# KiCad board rosco_m68k.kicad_pcb (continued)
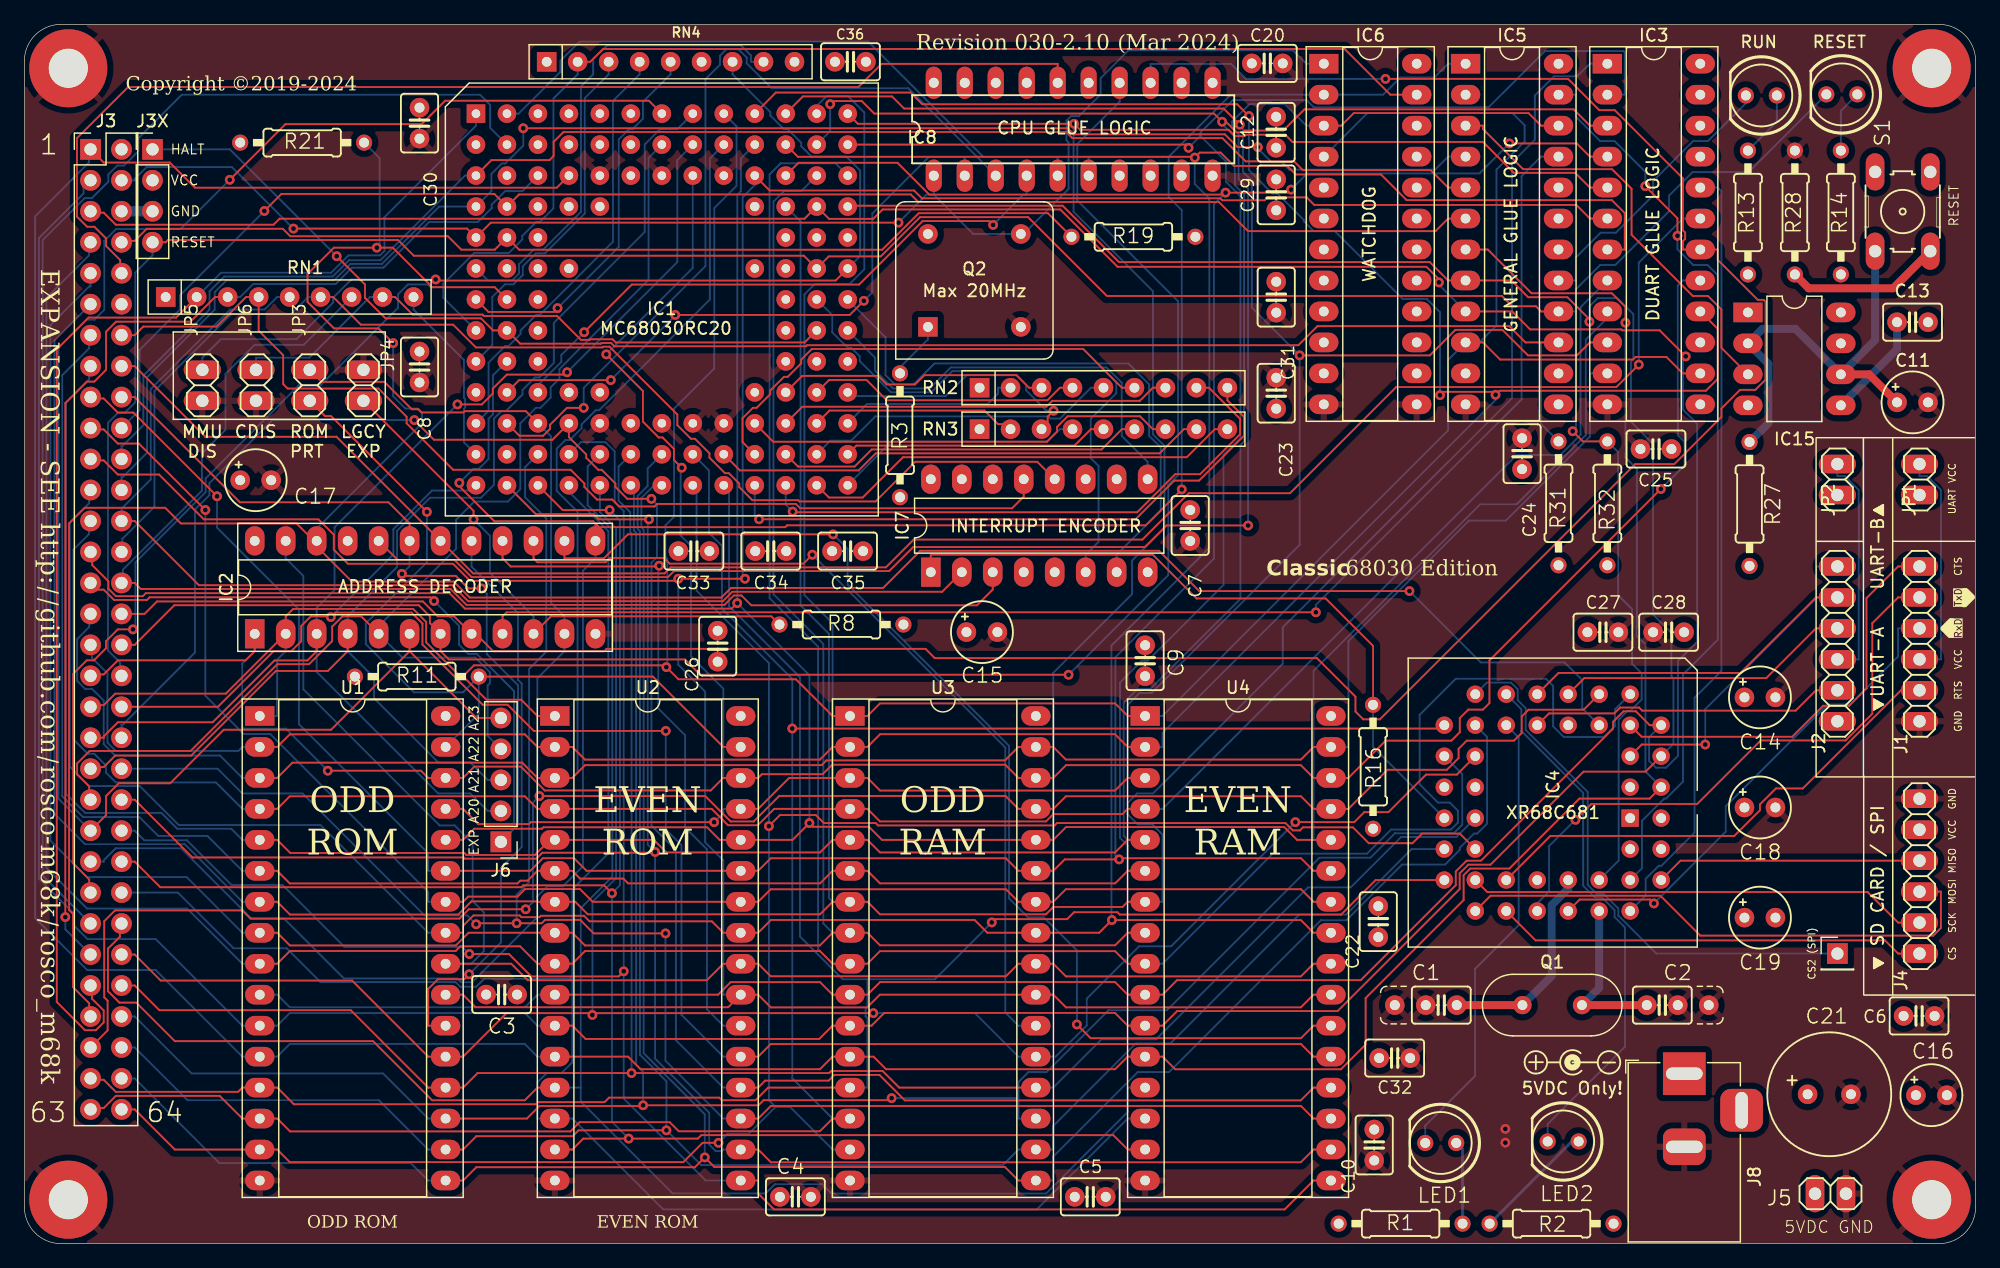
[diagram p0: board, top side]
## Routing (per net, layer and track width the routed paths; a pad name or vN(x,y) marks a point on that pad's centre or on a via; arc(x,y) is an arc through that point) (continued)
EVENROMSEL: length 56
  Top w0.152: IC2.16 39.21,56.21 39.88,55.54 51.99,55.54 v1(52.05,55.6)
  Bottom w0.152: U2.22 57.31,17.88 55.97,19.22 55.97,32.34 54.18,34.13 54.18,41.7 51.98,43.9 51.98,55.53 v1(52.05,55.6)
EXPSEL: length 62
  Top w0.152: v1(30.95,54.93) 31.01,54.88 31.01,54.77 35.37,54.77 36.41,53.74 v1(37.48,53.74) ; 7.96,69.43 9.04,69.43 17.67,60.8 29.85,60.8 31.59,59.07 IC2.19
  Bottom w0.152: J6.1 40.48,34.36 40.48,45.8 37.91,48.37 37.91,53.3 v1(37.48,53.74) ; v1(30.95,54.93) 31.59,55.56 IC2.19
FC0: length 124.2
  Top w0.152: IC5.6 116.75,84.08 115.72,83.04 100.33,83.04 97.95,85.43 73.31,85.43 72.69,86.05 40.56,86.05 IC1.D2 38.54,86.09 21.07,86.09 v1(19.68,84.7)
  Bottom w0.152: v1(19.68,84.7) 12.75,77.77 12.75,76.61 9.45,73.31 9.45,68.37 7.96,66.89
FC1: length 127.8
  Top w0.152: IC5.5 116.75,86.62 115.32,88.04 104.83,88.04 104.11,88.77 100.14,88.77 98.23,90.68 85.93,90.68 85.43,91.18 44.21,91.18 43.4,90.37 43.4,89.21 43.06,88.87 38.3,88.87 IC1.C1
  Bottom w0.152: IC1.C1 36.13,87.6 29.19,80.66 26.61,80.66 25.27,79.32 16.39,79.32 15.18,78.1 15.18,76.61 9.75,71.19 9.75,67.13 8.05,65.43 7.96,65.43 7.96,64.35
FC2: length 131.2
  Top w0.152: v1(101.15,89.93) 99.49,89.93 98.44,90.98 86.05,90.98 85.55,91.48 v1(40.91,91.48)
  Bottom w0.152: v1(101.15,89.93) 101.15,89.82 102.27,88.69 103.11,88.69 103.72,88.09 115.68,88.09 116.75,89.16 IC5.4 ; 7.96,61.81 7.96,62.89 8.08,62.89 10.06,64.87 10.06,71.06 15.61,76.61 15.61,78.04 16.58,79.01 25.4,79.01 26.74,80.35 29.32,80.35 34.02,85.06 IC1.D1 38.3,86.33 38.3,87.74 39.15,88.59 39.43,88.59 40.91,90.06 v1(40.91,91.48)
HALT: length 134
  Top w0.152: IC5.15 123.09,73.92 121.76,75.25 106.03,75.25 104.47,73.69 64.18,73.69 64.09,73.6 48.38,73.6 48.1,73.87 47.33,73.87 47.28,73.81 40.66,73.81 IC1.H2 38.43,74.9 37.44,75.89 29.61,75.89 27.93,77.57 27.93,78.67 v1(25.61,80.99)
  Bottom w0.152: J3-X1.1 16.84,89.75 v1(25.61,80.99) ; IC5.15 124.37,73.92 124.37,67.23 R31.1
HWRST: length 35.8
  Top w0.152: IC5.3 119.61,91.7 119.61,91.41 122.89,88.12 130.18,88.12 131.79,86.52 131.79,82.74 136.8,77.73 138.05,77.73 139.16,76.62 139.16,73.47 IC15.3
IOSEL: length 153.5
  Top w0.152: 7.96,71.97 9.04,71.97 14.84,66.17 25.57,66.17 25.58,66.18 IC2.18 36.79,54.97 52.49,54.97 52.99,55.47 70.64,55.47 72.92,57.74 91.68,57.74 95.48,61.55 103.78,61.55 112.49,70.26 130.54,70.26 v1(132.38,72.09)
  Bottom w0.152: IC3.19 135.99,84.08 132.38,80.46 v1(132.38,72.09)
IPL0: length 35.1
  Bottom w0.152: IC1.H13 69.75,72.66 69.75,71.61 71.22,70.14 74.24,70.14 75.96,71.86 88.73,71.86 89.98,70.61 89.98,66.24 92.1,64.12 IC7.9
IPL1: length 48.1
  Bottom w0.152: IC1.G13 70.62,74.33 70.62,71.22 71.38,70.47 72.91,70.47 74.63,72.19 90.52,72.19 92.23,70.48 92.23,66.25 93.18,65.3 93.18,60.12 89.56,56.5 IC7.7
IPL2: length 47
  Bottom w0.152: IC7.6 87.03,56.5 88.08,57.56 88.08,63.79 87.44,64.43 87.44,67.65 89.53,69.73 89.53,70.64 88.6,71.56 76.09,71.56 74.36,69.83 71.05,69.83 68.5,72.38 68.5,72.77 67.79,73.48 67.51,73.48 66.24,74.75 66.24,76.17 IC1.G12
IRQ2: length 101.1
  Top w0.152: RN1.6 25.32,77.64 27.59,75.37 35.16,75.37 37.02,73.5 47.4,73.5 47.46,73.56 47.98,73.56 53.54,68 53.54,67.13 54.66,66.01 54.99,66.01 56.17,64.83 56.17,64.46 57.45,63.19 57.76,63.19 58.62,62.33 58.62,62.05 59.7,60.98 63.45,60.98 63.56,60.87 69.79,60.87 73.05,64.12 83.06,64.12 IC7.12
  Bottom w0.152: RN1.6 23.26,77.64 21.87,76.25 16.98,76.25 10.67,69.94 10.67,60.45 8.03,57.81 8.03,56.79
IRQ3: length 87.9
  Top w0.152: 7.96,74.51 9.04,74.51 9.75,75.22 15.76,75.22 18.18,77.64 RN1.4 19.21,74.88 21.22,72.87 21.22,70.5 21.59,70.13 29.03,70.13 31.34,67.82 31.34,67.28 35.16,63.47 44.79,63.47 45.92,62.34 45.92,62.06 46.95,61.03 48.2,61.03 48.77,60.46 51.67,60.46 51.88,60.67 63.26,60.67 63.62,60.31 80.99,60.31 81.94,61.27 IC7.13
IRQ5: length 99
  Top w0.152: IC7.2 75.25,53.46 58.05,53.46 57.28,52.69 36.39,52.69 35.07,54 14.31,54 9.04,59.27 7.96,59.27
  Bottom w0.152: 7.96,59.27 7.96,60.35 8.04,60.35 10.36,62.68 10.36,70.1 16.88,76.61 19.69,76.61 20.72,77.64 RN1.5
IRQ6: length 108.3
  Top w0.152: IC7.3 79.41,53.65 78.11,52.35 59.61,52.35 58.8,53.16 58.18,53.16 57.4,52.39 36.25,52.39 34.94,53.7 9.54,53.7 9.04,54.19 7.96,54.19
  Bottom w0.152: 8.07,54.3 8.07,55.27 14.56,61.75 14.56,64.81 16.49,66.74 16.49,71.33 18.88,73.72 22.91,73.72 RN1.7
LDS: length 222.7
  Top w0.152: IC2.8 35.24,51.45 33.89,51.45 32.68,52.67 10.87,52.67 9.85,51.65 7.96,51.65 ; v1(111.61,95.53) 126.58,95.53 129.15,92.97 130.41,92.97 135.99,87.38 135.99,83.11 136.18,82.92 136.18,82.4 135.99,82.22 135.99,81.54 IC3.18 138.85,81.54 138.85,80.69 142.14,77.4 142.62,77.4 142.78,77.25 142.78,70.86 141.94,70.03 140.68,70.03 139.16,68.5 139.16,67.8 135.29,63.93 132.09,63.93 111.15,43 109.79,43 109.15,43.64 109.15,44.86 105.99,48.02 74.65,48.02 73.89,48.78 47.74,48.78 47.55,48.59 38.44,48.59 36.67,50.36
  Bottom w0.152: IC8.13 92.35,96.76 98.94,96.76 100.16,95.53 v1(111.61,95.53)
LGEXP: length 45.9
  Top w0.152: R8.2 61.25,51.45 43.18,51.45 IC2.10 ; v1(36.83,59.4) 36.83,60.1 JP4.1
  Bottom w0.152: v1(36.83,59.4) 38.18,58.06 38.18,55.02 41.75,51.45 IC2.10
MMUDIS: length 80.8
  Top w0.152: v1(33.72,79.08) 33.81,78.99 66.52,78.99 IC1.F13
  Bottom w0.152: RN4.7 58.07,95.91 61.16,92.81 61.16,92.53 62.28,91.41 62.58,91.41 63.7,90.29 63.7,90.01 64.56,89.15 67.4,89.15 68.53,88.02 68.53,81 IC1.F13 ; JP5.1 14.59,72.66 16.11,74.18 22.31,74.18 25.32,77.19 25.32,77.59 26.81,79.08 v1(33.72,79.08)
ODDRAMSEL: length 72.1
  Top w0.152: v1(64.61,56.51) 63.88,55.77 52.91,55.77 52.44,56.24 48,56.24 47.65,55.88 42.07,55.88 41.75,56.21 IC2.15
  Bottom w0.152: v1(64.61,56.51) 80.43,40.69 80.43,18.95 81.51,17.88 U3.22
ODDROMSEL: length 47.3
  Top w0.152: U1.22 33.11,17.88 33.11,20.88 33.91,21.69 36.06,21.69 v1(36.47,22.09)
  Bottom w0.152: IC2.17 36.67,55.53 40.48,51.72 40.48,46.23 40.78,45.93 40.78,32.53 39.07,30.82 39.07,24.69 v1(36.47,22.09)
RESET: length 242
  Top w0.152: R32.1 127.79,65.8 v1(126.96,66.63) ; J3-X1.4 11.58,82.13 11.77,82.32 30.64,82.32 31.93,81.03 63.92,81.03 IC1.F12 65.96,80.97 70.23,80.97 73.45,84.19 82.3,84.19 88.77,77.73 121.16,77.73 122,76.88 123.94,76.88 124.37,76.46 IC5.16
  Bottom w0.152: 7.85,46.68 7.85,47.65 6.85,48.65 6.85,67.31 7.7,68.16 8.25,68.16 9.09,69 9.09,79.64 10.5,81.05 J3-X1.4 ; 127.23,76.46 127.23,66.89 v1(126.96,66.63) ; 127.23,76.46 IC5.16 ; 127.23,76.46 127.23,78.28 129.21,80.27 130.45,80.27 134.86,84.67 134.86,85.95 136.79,87.89 141.39,87.89 LED4.K ; IC4.38 130.73,31.42 130.73,42.98 131.45,43.69 131.68,43.69 132.62,44.62 132.62,46.77 131.83,47.56 131.83,52.03 130.69,53.17 130.69,64.91 R32.1
ROM_RW: length 68.5
  Top w0.152: U2.31 57.31,40.74 51.54,46.51 R11.2 ; JP3.2 24.65,67.87 25.15,67.87 v1(33,60.02)
  Bottom w0.152: U1.31 37.26,43.46 R11.2 35.97,45.21 31.95,45.21 28,49.17 28,50.88 33,55.89 v1(33,60.02)
RTSA: length 40.6
  Top w0.152: J1.2 153.88,45.38 145.83,37.33 143.62,37.33 142.32,36.02 142.32,35.54 140.21,33.44 125.13,33.44 IC4.32
RTSB: length 26
  Top w0.152: IC4.14 125.02,43.49 130.37,43.49 130.85,43.97 132.41,43.97 132.66,43.71 145.24,43.71 146.91,45.38 J2.2
RUNLED: length 23.8
  Bottom w0.152: LED3.K 141.16,93.54 138.05,90.43 136.83,90.43 133.54,87.14 133.54,85.96 130.5,82.91 129.25,82.91 127.23,80.89 127.23,79 IC5.17
RW: length 204.5
  Top w0.152: J3.59 6.82,17.49 6.82,19.92 6.55,20.2 6.55,26.44 7.43,27.33 17.87,27.33 18.54,26.66 35.68,26.66 36.44,27.42 v1(41.11,27.42) ; IC4.9 127.86,43.79 123.34,43.79 122.78,43.23 122.78,41.89 122.14,41.25 118.27,41.25 117.6,40.58 117.6,39.82 116.64,38.86 111.78,38.86 108.57,35.66 U4.29 105.71,35.66 104.68,36.69 85.4,36.69 84.37,35.66 U3.29 81.51,35.66 80.45,36.72 61.9,36.72 59.8,34.62 57.92,34.62 55.83,36.71 v1(42.24,36.71) ; IC1.L3 41.11,68.28 36.12,68.28 36.01,68.17 32.58,68.17 32.32,68.43 31.77,68.43 29.52,70.68 24.39,70.68 JP3.1
  Bottom w0.152: IC1.L3 43.19,66.2 43.19,52.55 44.29,51.45 IC2.11 44.29,48.59 42.06,46.36 42.06,36.89 v1(42.24,36.71) 41.7,36.17 41.7,28.02 v1(41.11,27.42)
RXDA: length 41.2
  Top w0.152: v1(133.62,27.9) 133.3,28.22 127.53,28.22 IC4.35
  Bottom w0.152: J1.4 153.65,50.46 153.65,48.16 149.7,44.22 147.86,44.22 139.51,35.88 139.51,33.79 v1(133.62,27.9)
RXDB: length 24.3
  Top w0.152: J2.4 146.91,50.46 142.83,46.38 127.91,46.38 IC4.11
SIZ0: length 68.8
  Top w0.152: IC1.L2 40.59,66.26 42.54,66.26 43.1,66.82 43.1,67.16 44.49,68.55 v1(45.86,68.55)
  Bottom w0.152: IC8.3 72.48,94.76 61.28,94.76 59.23,96.81 59.23,97.28 58.55,97.97 57.57,97.97 57.04,97.43 57.04,96.69 55.85,95.5 55.85,80.18 45.86,70.19 v1(45.86,68.55)
SIZ1: length 48.7
  Top w0.152: v1(45.9,74.75) 49.81,78.66 68.45,78.66 73.65,83.87 79.12,83.87 v1(79.43,83.55)
  Bottom w0.152: 42.11,70.4 44.03,72.31 44.03,72.88 v1(45.9,74.75) ; IC8.4 82.19,86.04 81.92,86.04 v1(79.43,83.55)
SPICLK: length 37.9
  Top w0.152: J4.2 153.65,26.33 151.14,28.84 119.95,28.84 IC4.30
SPICS: length 35.3
  Top w0.152: J4.1 153.65,23.79 152.57,24.87 123.92,24.87 IC4.31
SPICS2: length 45.7
  Bottom w0.152: J7.1 133.82,23.79 130.7,26.91 130.7,27.49 129.5,28.69 128.92,28.69 128.19,29.42 128.19,37.05 123.11,42.13 123.11,43.91 122.45,44.57 122.45,45.47 121.91,46.01 119.92,46.01 IC4.17
SPIMISO: length 21.8
  Top w0.152: J4.4 135.8,31.41 IC4.40
SPIMOSI: length 45
  Top w0.152: IC4.29 120.22,28.53 134.15,28.53 137.42,25.26 156.53,25.26 157.15,25.89 157.15,28.87 J4.3
STERM: length 31.5
  Top w0.152: IC1.G1 38.05,76.42 43.41,76.42 v1(43.72,76.73)
  Bottom w0.152: RN4.5 52.99,95.91 50.72,93.64 50.72,92.26 49.87,91.41 49.59,91.41 48.74,90.56 48.74,81.75 v1(43.72,76.73)
TXDA: length 48.9
  Top w0.152: J1.5 153.65,53 151.53,50.88 151.53,43.46 149.33,41.27 142.38,41.27 137.17,36.06 128.48,36.06 v1(127.19,34.76)
  Bottom w0.152: v1(127.19,34.76) 125.02,32.59 125.02,28.88 124.05,27.92 IC4.33
TXDB: length 27.9
  Top w0.152: J2.5 146.91,53 140.72,46.81 125.8,46.81 IC4.13
UD0: length 20
  Top w0.152: v1(84.39,68.31) 83.91,67.83 83.91,67.3
  Bottom w0.152: 67.82,69.51 75.55,69.51 77.29,71.24 81.35,71.24 82.13,70.46 82.13,70 83.82,68.31 v1(84.39,68.31)
UD1: length 22.5
  Top w0.152: IC1.K12 65.99,70.84 69.05,70.84 70.72,69.17 83.89,69.17 84.92,70.2 RN2.4
UD2: length 14.9
  Bottom w0.152: RN2.2 79.84,70.2 79.84,69.71 78.99,68.86 69.09,68.86 IC1.L13
UD3: length 21.8
  Top w0.152: IC1.M13 68.22,65.45 86.11,65.45 87.46,66.8 RN3.5
UD4: length 16.4
  Top w0.152: IC1.L12 66.02,68.33 78.72,68.33 79.84,67.21 80.45,67.21
UD5: length 22.6
  Top w0.152: IC1.K11 63.78,71.17 70.01,71.17 70.71,70.47 73.04,70.47 73.8,71.23 81.35,71.23 82.38,70.2 RN2.3
UD6: length 25.9
  Bottom w0.152: RN2.5 87.46,70.2 84.93,67.67 84.14,67.67 83.96,67.85 69.78,67.85 67.79,65.86 66.09,65.86 IC1.M12
UD7: length 32.3
  Top w0.152: IC1.L11 63.79,68.64 83.8,68.64 84.28,69.12 91.46,69.12 92.54,70.2 RN2.7
UD8: length 20.3
  Bottom w0.152: RN3.4 84.92,66.8 83.89,65.77 71.08,65.77 IC1.N13
UD9: length 30.3
  Top w0.152: IC1.M11 63.44,63.73 68.08,63.73 69.48,65.13 88.33,65.13 90,66.8 RN3.6
UD10: length 35.8
  Top w0.152: IC1.L10 61.4,65.77 83.84,65.77 84.67,66.61 84.67,66.99 85.55,67.86 91.48,67.86 92.54,66.8 RN3.7
UD11: length 36.4
  Top w0.152: IC1.N12 65.98,61.19 68.74,61.19 72.04,64.5 95.32,64.5 97.62,66.8 RN3.9
UD12: length 39.5
  Top w0.152: RN2.6 90,70.2 86.82,73.38 64.57,73.38 63.7,72.51 63.7,72.2 62.59,71.09 62.28,71.09 61.16,69.97 61.16,69.67 60.04,68.55 59.74,68.55 58.89,67.7 58.89,65.74 IC1.M10
UD13: length 47.7
  Top w0.152: v1(63,60.04) 63.05,59.98 91.25,59.98 94.37,63.11 96.41,63.11 99.69,66.38 99.69,67.65 97.13,70.2 RN2.8
  Bottom w0.152: v1(63,60.04) 62.43,60.61 IC1.N11
UD14: length 40.7
  Top w0.152: RN3.8 95.08,66.8 93.09,64.82 69.81,64.82 68.41,63.42 58.67,63.42 IC1.M9
UD15: length 50
  Top w0.152: RN2.9 98.64,69.17 100,67.81 100,66.26 96.32,62.58 94.28,62.58 91.11,59.41 v1(60.24,59.41)
  Bottom w0.152: IC1.N10 59.89,59.76 v1(60.24,59.41)
UDS: length 139.7
  Top w0.152: 7.96,49.11 9.04,49.11 12.3,52.36 32.33,52.36 33.25,51.45 33.25,50.9 IC2.7 34.13,48.59 34.8,47.91 54.16,47.91 55.42,46.66 v1(85.62,46.66)
  Bottom w0.152: v1(85.62,46.66) 93.79,54.83 93.79,62.21 94.6,63.02 94.6,77.3 86.34,85.56 86.34,90.19 89.81,93.66 IC8.14
VPA: length 81.8
  Top w0.152: R19.2 83.92,84.52 73.34,84.52 70.34,81.52 40.57,81.52 IC1.E2 38.57,81.52 35.83,81.52 34.73,82.62 21.8,82.62 21.19,83.24 10.04,83.24 9.04,82.24 8.08,82.24
WR: length 119.4
  Top w0.152: U2.24 60.17,22.96 61.2,21.93 80.48,21.93 81.51,22.96 U3.24 84.37,22.96 85.41,21.92 104.67,21.92 105.71,22.96 U4.24 ; U1.24 39.92,22.96 41.28,21.6 55.95,21.6 57.31,22.96 58.03,22.96
  Bottom w0.152: IC2.23 21.43,56.21 22.87,54.76 22.87,45.47 34.03,34.3 35.27,34.3 36.76,32.82 36.76,28.09 37.67,27.17 37.67,23.99 36.64,22.96 U1.24
Net-(IC4-OP3): length 43.7
  Bottom w0.152: LED2.K 124.91,9.81 131.24,16.14 131.24,25.94 130.39,26.79 130.39,27.35 129.38,28.37 128.79,28.37 127.82,29.34 127.82,36.97 122.75,42.04 122.75,43.82 IC4.15
Net-(IC4-OP5): length 37.9
  Bottom w0.152: LED1.K 114.87,9.68 118.96,13.78 118.96,22.55 122.53,26.12 122.53,41.5 IC4.16
Net-(IC4-X1/CLK): length 17.2
  Top w0.65: Q1.1 117.46,19.56
  Bottom w0.65: IC4.36 126.59,29.13 125.24,27.77 125.24,21.96 Q1.1
Net-(IC4-X2): length 13.6
  Top w0.65: Q1.2 133.04,19.56
  Bottom w0.65: Q1.2 129.13,20.97 IC4.37
Net-(IC15-CV): length 8.7
  Bottom w0.65: IC15.5 153.56,73.36 C13.2
Net-(IC15-THR): length 35.9
  Top w0.65: C11.+ 151.26,71.3 IC15.6
  Bottom w0.65: 141.46,65.75 143.01,67.29 143.01,72.16 IC15.2 142.52,75.03 145.22,75.03 IC15.6 151.76,74.1 S1.1
Net-(LED1-PadA): length 6.8
  Bottom w0.25: LED1.A 117.93,7.73 R1.1
Net-(LED2-PadA): length 10.1
  Bottom w0.25: R2.1 126.89,8.38 LED2.A
Net-(LED3-PadA): length 5.5
  Bottom w0.152: LED3.A 143.7,92.02 R13.1
Net-(LED4-PadA): length 5.2
  Bottom w0.152: R14.1 148.95,92.91 LED4.A
Net-(Q2-EN): length 4.3
  Bottom w0.152: Q2.1 74.09,74.16 71.8,71.87
Net-(S1-P): length 12.8
  Top w0.65: S1.3 153.24,78.35 146.31,78.35 R28.2

## Copper pours and planes (outline as drawn; the poured copper is in the pictures)
GND on Top: -0.9,101.1 161.1,101.1 161.1,-0.9 -0.9,-0.9
GND on Bottom: -0.9,101.1 161.1,101.1 161.1,-0.9 -0.9,-0.9
GND on Route2: 160.7,97.95 160.7,1.43 158.16,-1.11 1.95,-1.11 -0.59,1.43 -0.59,97.95 1.95,100.49 158.16,100.49
VCC on Route15: 160.7,97.95 160.7,1.43 158.16,-1.11 1.95,-1.11 -0.59,1.43 -0.59,97.95 1.95,100.49 158.16,100.49

## Text on the board
B.Silkscreen: Certified Open / Source Hardware | rosco_m68k classic 68030
F.Silkscreen: UART VCC | CS2 (SPI) | GND | VCC | MISO | MOSI | SCK | CS | CTS | TxD | RxD | RTS | RESET | A23 | A22 | A21 | A20 | EXP | HALT | 5VDC GND | RUN | CDIS | ROM / PRT | J3X | ADDRESS DECODER | MC68030RC20 | Max 20MHz | INTERRUPT ENCODER | CPU GLUE LOGIC | XR68C681 | 5VDC Only! | MMU / DIS | LGCY / EXP | WATCHDOG | GENERAL GLUE LOGIC | DUART GLUE LOGIC | ▼UART-A    UART-B▲ | ▼ SD CARD / SPI | 63 | 1 | 64 | ODD ROM | EVEN ROM | Copyright ©2019-2024 | Revision 030-2.10 (Mar 2024) | 68030 Edition | Classic | EXPANSION - SEE http://github.com/rosco-m68k/rosco_m68k | ODD / ROM | EVEN / ROM | ODD / RAM | EVEN / RAM
